# Altium PCB MCISO-P01-V06-NewMicro.PcbDoc (part 2 of 2)
Units mm, origin at the board's own origin, x right, y up, seen from the top; angles counter-clockwise.
Board outline 60 x 112.78 mm, 2 copper layers (Top Layer, Bottom Layer), stack 1.57 mm thick; 124 components, 85 nets, 520 pads, 108 vias.
Unrouted connection lines stored in the file: 6.
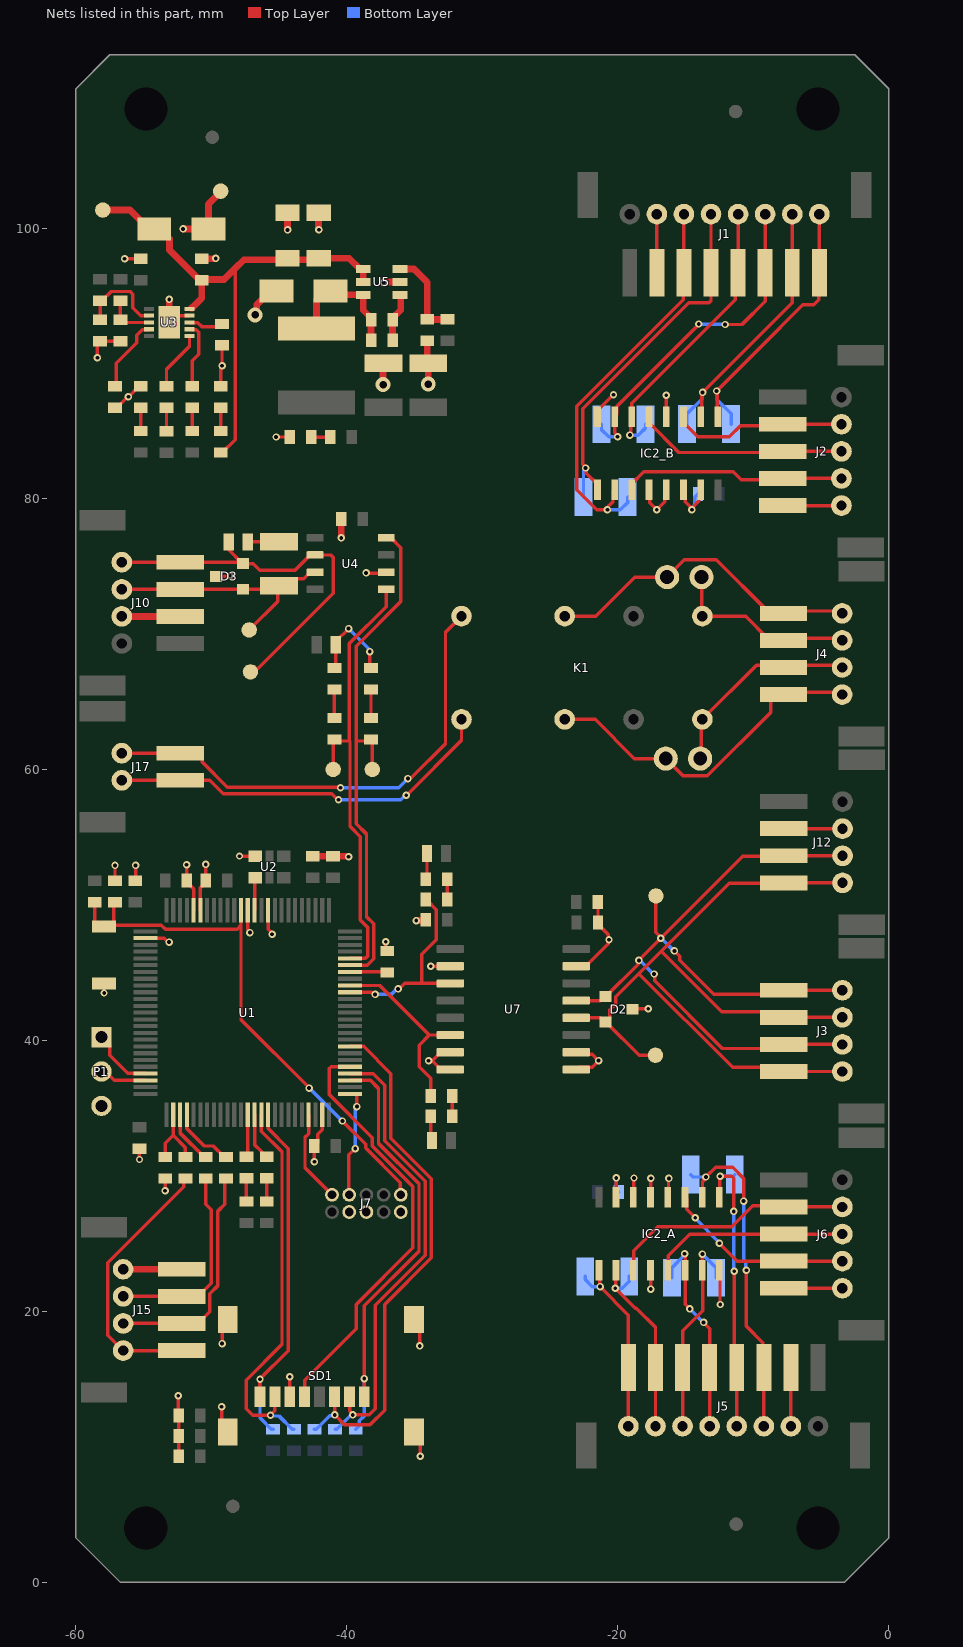
[diagram p2: the nets of this part, all layers, seen from the top]

## Via types
v1: diameter 0.55, hole 0.279, Top Layer to Bottom Layer, 100 vias
v2: diameter 1.1, hole 0.56, Top Layer to Bottom Layer, 3 vias
v3: diameter 0.508, hole 0.279, Top Layer to Bottom Layer, 3 vias
v4: diameter 1.092, hole 0.559, Top Layer to Bottom Layer, 2 vias

## Nets (pads, with @x,y where several pads share a name; then routed paths per layer and width w, separated by ;. In a path a pad name is that pad's centre, name@x,y a point inside that pad or via, vN(x,y) a via of type N, cw(c..) or ccw(c..) an arc to the next point about the centre after c; other vN are vias at no path point) (continued)
12VP: C11.2 C18.1 C21.1 D1.K R14.2 TP2.1 U3.10 U5.4 U5.5 | length 40.3
  Top Layer w0.254: U3.10@-51.611,94.026 U3.10@-51.517,94.026 ; R14.2@-49.311,83.426 -49.184,83.426 -48.239,84.371 -48.239,97.008
  Top Layer w0.5: TP2.1@-58.011,101.326 -56.011,101.326 -54.611,99.926 D1.K@-54.211,99.926 -53.811,99.926 -53.088,99.203 -53.088,98.383 -50.711,96.006 -50.711,94.808 -51.415,94.104 U3.10@-51.486,94.104 ; C11.2@-50.711,96.133 -50.652,96.192 -49.055,96.192 -48.239,97.008 -47.59,97.657 -42.188,97.657 C18.1@-42.079,97.765 -39.834,97.765 -39.035,96.967 U5.4@-38.785,96.967 U5.5@-38.785,96.017
BOOT: R1.1 U1.94 | length 2.8
  Top Layer w0.254: U1.94@-39.761,45.076 -37.054,45.076 R1.1@-37.011,45.033
"CAN GLV RX": R25.1 TP9.1 U1.95 U4.4 | length 39
  Top Layer w0.254: U1.95@-39.761,45.576 -38.48,45.576 -38.014,46.042 -38.014,48.63 -38.544,49.159 -38.544,55.259 -39.311,56.026 -39.311,62.126 ; TP9.1@-38.111,60.026 -38.111,62.133 R25.1@-38.211,62.233 -38.318,62.126 -39.311,62.126 ; U4.4@-37.086,77.131 -36.736,77.131 -36.011,76.406 -36.011,72.426 -39.311,69.126 -39.311,62.926 -39.311,62.126
"CAN GLX TX": R24.1 TP11.1 U1.96 U4.1 | length 33.5
  Top Layer w0.254: TP11.1@-41.011,60.026 -41.011,62.133 R24.1@-40.911,62.233 -40.804,62.126 -39.811,62.126 ; U1.96@-39.761,46.076 -39.738,46.099 -38.617,46.099 -38.468,46.248 -38.468,48.384 -38.998,48.913 -38.998,55.071 -39.765,55.838 -39.765,62.08 -39.811,62.126 ; U4.1@-37.086,73.321 -37.086,72.051 -39.811,69.326 -39.811,62.126
"CAN H": D3.2 J10.4 J14.1 TP8.1 U4.6 | length 29.4
  Top Layer w0.254: J10.4@-56.611,75.326 J10.4@-52.282,75.326 D3.2@-47.811,75.326 ; J14.1@-48.708,76.826 -48.653,76.771 -48.653,76.168 D3.2@-47.811,75.326 ; D3.2@-47.661,75.226 -46.911,75.226 -46.411,74.726 -43.821,74.726 -42.686,75.861 U4.6@-42.336,75.861 -41.195,75.861 -41.011,75.677 -41.011,73.026 -46.541,67.496 -46.601,67.496 -46.87,67.226 TP8.1@-47.111,67.226 ; D3.2@-47.661,75.326 D3.2@-47.811,75.326
"CAN HV RX": R22.1 U1.91 U7.3 | length 14.7
  Top Layer w0.254: U1.91@-39.761,43.576 -38.147,43.576 -37.991,43.42 v1(-37.911,43.42) ; v1(-36.211,43.826) -36.131,43.826 -35.726,44.231 -34.425,44.231 ; R22.1@-34.08,50.371 -33.393,49.684 -33.393,47.44 -34.454,46.379 -34.454,44.261 -34.425,44.231 ; U7.3@-32.361,44.231 -34.425,44.231
  Bottom Layer w0.254: v1(-37.911,43.42) -36.697,43.42 -36.291,43.826 v1(-36.211,43.826)
"CAN HV TX": R21.1 U1.92 U7.6 | length 14.1
  Top Layer w0.254: U1.92@-39.761,44.076 -37.561,44.076 -33.906,40.421 ; R21.1@-33.804,35.926 -33.804,37.221 -34.662,38.079 -34.662,39.665 -33.906,40.421 ; U7.6@-32.361,40.421 -33.906,40.421
"CAN L": D3.1 J10.3 R26.1 TP10.1 U4.7 | length 18.6
  Top Layer w0.254: J10.3@-56.611,73.326 J10.3@-52.282,73.326 -47.911,73.326 D3.1@-47.661,73.326 -45.036,73.326 -45.111,73.252 -45.111,72.426 TP10.1@-47.211,70.326 ; R26.1@-45.011,73.575 -44.488,74.098 -43.179,74.098 -42.686,74.591 U4.7@-42.336,74.591
"CAN MAIN LED": DS9.1 DS10.1 J13.2 | length 7
  Top Layer w0.254: DS9.1@-40.911,67.52 -40.814,67.617 J13.2@-40.814,69.226 -40.814,69.48 v1(-39.868,70.426) v1@-39.811,70.426 ; v1(-38.311,68.726) -38.311,67.62 DS10.1@-38.211,67.52
  Bottom Layer w0.254: v1(-39.868,70.426) -38.311,68.869 v1(-38.311,68.726)
"CAN MAIN RX LED": DS10.2 R25.2 | length 2.1
  Top Layer w0.254: R25.2@-38.211,63.82 DS10.2@-38.211,65.933
"CAN MAIN TX LED": DS9.2 R24.2 | length 2.1
  Top Layer w0.254: R24.2@-40.911,63.82 DS9.2@-40.911,65.933
"CAN RX LED": DS8.2 R22.2 | length 1.4
  Top Layer w0.254: R22.2@-32.586,50.423 -32.586,51.757 DS8.2@-32.518,51.826
"CAN TX LED": DS7.2 R21.2 | length 1.5
  Top Layer w0.254: DS7.2@-32.218,34.426 R21.2@-32.218,35.926
CLMODE: R15.2 U3.4 | length 5.6
  Top Layer w0.254: R15.2@-57.011,88.226 -57.011,90.019 -55.511,91.519 -55.511,92.082 -55.09,92.503 -54.634,92.503 U3.4@-54.611,92.526
"COM A": J4.4 J8.1 K1.13 | length 25.4
  Top Layer w0.254: K1.13@-23.911,63.726 -21.665,63.726 -18.765,60.826 J8.1@-16.451,60.826 -15.181,59.556 -13.385,59.556 -8.711,64.23 -8.711,65.303 -8.288,65.726 -7.74,65.726 J4.4@-3.411,65.726
"COM B": J4.1 J9.2 K1.4 | length 23.8
  Top Layer w0.254: K1.4@-23.911,71.346 -21.605,71.346 -18.725,74.226 J9.2@-16.351,74.226 -15.081,75.496 -12.71,75.496 -8.94,71.726 -7.74,71.726 J4.1@-3.411,71.726
FLAG: DS4.2 U3.6 | length 4.4
  Top Layer w0.254: DS4.2@-53.311,88.313 -53.311,89.559 -51.611,91.259 U3.6@-51.611,92.026
GND: C1.1 C2.1 C3.1 C4.1 C5.1 C6.2 C7.1 C8.1 C9.1 C10.1 C11.1 C12.1 C15.2 C18.2 C19.1 C21.2 C22.1 C23.1 C24.1 D1.A D3.3 D4.A DS5.2 DS6.2 DS11.2 J7.3 J7.5 J7.9 J10.2 J15.4 P1.3 R1.2 R8.1 R15.1 R16.1 R17.1 R18.1 R29.1 SD1.6 SD1.9 SD1.10 SD1.11 SD1.12 SW1.1 TP3.1 U1.10 U1.13 U1.20 U1.21 U1.27 U1.74 U2.3 U3.9 U3.11 U4.2 U5.2 U7.2 U7.7 U7.8 | length 89.3
  Top Layer w0.254: v1(-58.411,90.426) -58.411,91.439 R16.1@-58.211,91.639 R17.1@-56.711,91.639 ; v3(-57.911,43.526) SW1.1@-57.911,44.326 ; R15.1@-57.124,86.72 R15.1@-57.111,86.733 ; C7.1@-57.111,51.82 v1(-57.112,52.944) ; R15.1@-57.011,86.639 -57.011,86.706 -56.177,87.54 -56.111,87.54 -55.338,88.313 DS5.2@-55.211,88.313 ; v1(-56.405,97.737) -55.229,97.737 C12.1@-55.211,97.72 ; C3.1@-55.611,51.82 -55.59,51.84 v1(-55.59,52.942) ; v3(-55.311,31.226) C4.1@-55.311,32.033 ; U1.27@-54.861,47.576 -53.492,47.576 -53.198,47.282 v1(-53.118,47.282) ; v1(-53.411,28.926) R8.1@-53.411,29.826 ; U3.11@-53.111,93.026 -52.611,93.526 U3.9@-51.611,93.526 ; v1(-52.439,13.792) -52.439,12.348 C10.1@-52.417,12.326 C9.1@-52.417,10.826 C8.1@-52.417,9.326 ; v1(-51.824,52.984) -51.824,51.839 C5.1@-51.811,51.826 -51.811,51.699 -51.311,51.199 U1.21@-51.311,49.626 ; U1.20@-50.811,49.626 -50.803,49.634 -50.803,51.301 -50.404,51.699 C24.1@-50.404,51.826 -50.411,51.832 v1(-50.411,53.015) ; D3.3@-49.661,74.276 -48.674,74.276 -48.624,74.326 v1(-48.611,74.326) ; DS6.2@-49.311,88.313 -49.311,89.646 -49.211,89.746 R18.1@-49.211,91.333 ; v1(-49.241,12.984) -49.241,11.576 SD1.9@-48.791,11.126 ; v1(-49.204,17.637) -49.204,19.013 SD1.10@-48.791,19.426 ; v3(-47.911,53.626) U2.3@-46.761,53.626 ; U1.13@-47.311,49.626 -47.311,48.223 -47.155,48.067 v1(-47.155,47.986) ; U1.10@-45.811,49.626 -45.811,48.238 -45.517,47.944 v1(-45.517,47.864) ; v1(-45.22,84.571) -44.221,84.571 DS11.2@-44.212,84.562 ; v1(-44.212,15.192) -44.212,13.727 SD1.6@-44.211,13.726 ; v1(-42.392,31.065) -42.392,32.221 C1.1@-42.398,32.226 -42.144,32.48 -42.144,33.093 -41.82,33.417 -41.82,34.517 U1.74@-41.811,34.526 ; v1@-38.558,74.499 -37.178,74.499 U4.2@-37.086,74.591 ; v1(-37.128,47.309) -37.128,46.737 R1.2@-37.011,46.62 ; SD1.12@-35.041,11.126 -34.583,10.668 v1(-34.583,9.321) ; SD1.11@-35.041,19.426 -34.618,19.003 v1(-34.618,17.468) ; v1(-33.963,38.515) v1@-33.697,38.515 ; v1(-33.798,45.503) v1(-33.798,45.503) -32.362,45.502 U7.2@-32.361,45.501 ; U7.8@-32.361,37.881 -33.061,37.881 -33.695,38.515 v1@-33.697,38.515 ; U7.7@-32.361,39.151 -33.061,39.151 v1@-33.697,38.515
  Top Layer w0.5: J10.2@-56.611,71.326 J10.2@-52.282,71.326 ; J15.4@-56.511,23.126 J15.4@-52.182,23.126 ; U3.11@-53.111,93.026 v1(-53.111,94.726) ; v1(-52.088,99.929) -50.214,99.929 D1.A@-50.211,99.926 -50.211,101.757 -49.311,102.657 TP3.1@-49.311,102.726 ; C11.1@-50.711,97.72 -50.708,97.723 -49.724,97.723 -49.693,97.754 v1(-49.679,97.754) ; v2(-46.765,93.584) -46.651,93.699 -46.651,94.307 -45.599,95.358 D4.A@-45.199,95.358 ; C21.2@-44.379,101.122 -44.374,101.117 v1(-44.374,99.855) ; C6.2@-42.511,53.62 -39.924,53.62 -39.885,53.58 v1(-39.871,53.58) ; C18.2@-42.079,101.122 -42.079,99.9 -42.058,99.879 v1(-42.058,99.865) ; v1(-40.404,77.124) C15.2@-40.404,78.526 ; v2(-37.318,88.442) -37.318,89.994 C22.1@-37.303,90.009 ; v1(-37.284,95.968) -37.27,95.968 -37.222,96.017 U5.2@-36.085,96.017 ; v1(-34.871,48.865) -34.862,48.875 -34.222,48.875 C23.1@-34.173,48.923 ; R29.1@-34.066,91.669 -34.066,90.103 C19.1@-33.988,90.024 -33.984,90.02 v2(-33.984,88.47)
  other v1: -38.576,74.532 -56.125,87.54 -49.211,89.826
"GND INV A": C20_B.1 IC2_B.4 IC2_B.8 IC2_B.12 IC2_B.13 IC2_B.14 IC2_B.15 J1.2 J2.5 | length 20
  Top Layer w0.254: IC2_B.8@-21.52,86.498 -20.324,87.694 v1(-20.311,87.694) ; IC2_B.12@-17.71,80.673 -17.634,80.598 -17.634,79.724 v1(-17.109,79.198) -16.525,79.782 -16.525,80.588 IC2_B.13@-16.44,80.673 ; J1.2@-17.111,96.686 J1.2@-17.111,101.026 ; IC2_B.4@-16.44,86.073 -16.425,86.088 -16.425,87.632 v1(-16.41,87.647) ; IC2_B.14@-15.17,80.673 -15.022,80.525 -15.022,79.794 -14.58,79.353 -14.58,79.335 -14.542,79.296 -14.506,79.296 -14.467,79.335 -14.467,79.397 -13.998,79.866 -13.998,80.575 IC2_B.15@-13.9,80.673 ; J2.5@-7.828,79.511 J2.5@-3.499,79.511
  Bottom Layer w0.254: v1@-14.524,79.264 -14.524,79.344 -14.319,79.549 -14.319,80.114 C20_B.1@-14.065,80.368
  other v1: -14.524,79.198
"GND INV B": C13.1 C14.1 C20_A.1 D2.3 IC2_A.4 IC2_A.8 IC2_A.12 IC2_A.13 IC2_A.14 IC2_A.15 J5.2 J6.5 J12.2 U7.9 U7.10 U7.15 | length 35.2
  Top Layer w0.254: U7.9@-23.061,37.881 -22.888,38.054 -21.889,38.054 v1(-21.407,38.536) -21.436,38.536 -21.886,38.985 -22.895,38.985 U7.10@-23.061,39.151 ; U7.15@-23.061,45.501 -22.361,45.501 -20.697,47.165 -20.697,47.4 v1(-20.641,47.457) -20.697,47.513 -20.697,47.843 -21.452,48.598 -21.452,50.226 C14.1@-21.468,50.242 ; v1(-20.102,29.872) -20.096,29.867 -20.096,28.455 IC2_A.15@-20.09,28.449 ; D2.3@-18.911,42.326 -18.87,42.367 v1(-17.739,42.367) ; IC2_A.14@-18.82,28.449 -18.809,28.461 -18.809,29.851 v1(-18.797,29.863) ; v1(-17.556,21.661) -17.55,21.667 IC2_A.4@-17.55,23.049 ; IC2_A.13@-17.55,28.45 v1(-17.549,29.842) ; IC2_A.12@-16.28,28.449 -16.249,28.48 -16.249,29.801 v1(-16.218,29.832) ; IC2_A.8@-12.47,23.049 -12.448,23.026 -12.448,20.55 v1(-12.425,20.527) ; J6.5@-7.74,21.726 J6.5@-3.411,21.726 ; J12.2@-7.73,55.653 J12.2@-3.401,55.653 ; J5.2@-7.211,11.536 J5.2@-7.211,15.876
  Bottom Layer w0.254: v1(-20.102,29.872) -20.102,28.996 C20_A.1@-19.932,28.826
H1_A: IC2_A.3 J6.2 | length 18.3
  Top Layer w0.254: IC2_A.3@-18.82,23.049 -18.82,24.493 -17.043,26.271 -11.576,26.271 -10.023,27.823 -7.837,27.823 J6.2@-7.74,27.726 J6.2@-3.411,27.726
H1_B: IC2_B.3 J2.2 | length 13
  Top Layer w0.254: IC2_B.3@-15.17,86.073 -15.17,85.648 -14.1,84.578 -11.764,84.578 -10.936,85.406 -7.781,85.406 J2.2@-7.761,85.426 ; J2.2@-7.828,85.511 J2.2@-3.499,85.511
H2_A: IC2_A.5 J6.3 | length 14.6
  Top Layer w0.254: IC2_A.5@-16.28,23.049 -16.28,24.135 -14.689,25.726 J6.3@-7.74,25.726 J6.3@-3.411,25.726
H2_B: IC2_B.5 J2.3 | length 15.6
  Top Layer w0.254: IC2_B.5@-17.71,86.073 -17.71,85.648 -15.487,83.426 J2.3@-7.761,83.426 ; J2.3@-7.828,83.511 J2.3@-3.499,83.511
H3_A: IC2_A.11 J6.4 | length 14.1
  Top Layer w0.254: IC2_A.11@-15.01,28.449 -14.912,28.351 -14.912,27.56 -14.279,26.927 v1(-14.275,26.927) ; v1(-12.491,25.053) -11.164,23.726 J6.4@-3.411,23.726
  Bottom Layer w0.254: v1(-14.275,26.927) -14.275,26.882 -12.491,25.097 v1(-12.491,25.053)
H3_B: IC2_B.11 J2.4 | length 16.6
  Top Layer w0.254: IC2_B.11@-18.98,80.673 -18.98,81.098 -18.064,82.014 -11.468,82.014 -10.88,81.426 J2.4@-7.761,81.426 ; J2.4@-7.828,81.511 J2.4@-3.499,81.511
"HALL 1A_A": IC2_A.2 J5.7 R19_A.1 | length 14.4
  Top Layer w0.254: IC2_A.2@-20.133,23.007 -20.145,22.995 -20.145,21.754 v1(-20.174,21.725) -18.707,20.258 -18.621,20.258 -17.211,18.848 J5.7@-17.211,15.876 J5.7@-17.211,11.536
  Bottom Layer w0.254: v1(-20.174,21.725) -19.674,21.725 -19.151,22.248 R19_A.1@-19.151,22.599
"HALL 1A_B": IC2_B.2 J1.7 R19_B.1 | length 20.6
  Top Layer w0.254: IC2_B.2@-13.9,86.073 -13.79,86.182 -13.79,87.805 -7.111,94.485 J1.7@-7.111,96.686 J1.7@-7.111,101.026
  Bottom Layer w0.254: R19_B.1@-14.882,85.522 -14.882,86.272 -13.79,87.364 -13.79,87.805 v1(-13.734,87.862)
"HALL 1B_A": IC2_A.1 J5.8 R19_A.2 | length 13.9
  Top Layer w0.254: IC2_A.1@-21.36,23.049 -21.33,23.019 -21.33,21.881 v1(-21.3,21.851) -21.3,21.824 -19.211,19.735 J5.8@-19.211,15.876 J5.8@-19.211,11.536
  Bottom Layer w0.254: R19_A.2@-22.402,22.599 -22.402,22.374 -21.879,21.851 v1(-21.3,21.851)
"HALL 1B_B": IC2_B.1 J1.8 R19_B.2 | length 21.5
  Top Layer w0.254: IC2_B.1@-12.63,86.073 -12.653,86.096 -12.653,87.919 -12.701,87.968 v1(-12.701,87.967) -9.564,91.104 -6.338,94.33 -5.532,94.33 -5.158,94.704 -5.158,96.64 J1.8@-5.111,96.686 J1.8@-5.111,101.026
  Bottom Layer w0.254: v1(-12.701,87.967) -12.67,87.936 -12.67,87.311 -11.631,86.272 R19_B.2@-11.631,85.522
"HALL 2A_A": IC2_A.6 J5.5 R20_A.1 | length 15.6
  Top Layer w0.254: v1@-15.021,24.249 -15.01,24.238 -15.01,23.049 -15.01,20.538 -14.684,20.212 v1(-14.684,20.2) ; v1(-13.657,19.199) -13.657,19.193 -13.196,18.732 -13.196,15.891 J5.5@-13.211,15.876 J5.5@-13.211,11.536
  Bottom Layer w0.254: R20_A.1@-15.992,22.499 -15.992,23.249 -15.118,24.123 -15.118,24.216 v1(-15.061,24.273) ; v1(-14.684,20.2) -14.671,20.2 -13.67,19.199 v1(-13.657,19.199)
"HALL 2A_B": IC2_B.6 J1.5 R20_B.1 | length 21.3
  Top Layer w0.254: v1(-19.095,84.713) -19.038,84.769 -19.038,86.015 -18.954,86.099 -18.954,87.056 -11.306,94.704 -11.306,96.491 J1.5@-11.111,96.686 J1.5@-11.111,101.026
  Bottom Layer w0.254: v1(-19.095,84.713) -18.468,84.713 -17.945,85.236 R20_B.1@-17.945,85.513
"HALL 2B_A": IC2_A.7 J5.6 R20_A.2 | length 15.5
  Top Layer w0.254: J5.6@-15.211,11.536 J5.6@-15.211,15.876 -15.211,18.573 -13.707,20.077 -13.707,23.016 -13.74,23.049 -13.755,23.064 v1@-13.755,24.233
  Bottom Layer w0.254: v1(-13.747,24.249) -13.741,24.249 -12.741,23.249 R20_A.2@-12.741,22.499
"HALL 2B_B": IC2_B.7 J1.6 R20_B.2 | length 24.9
  Top Layer w0.254: v1(-20.006,84.585) -20.006,84.665 -20.225,84.884 -20.225,86.048 -20.25,86.073 -20.052,86.271 -20.052,86.847 -14.023,92.875 v1(-14.023,92.914) ; v1(-12.075,92.877) -10.824,92.877 -9.111,94.59 J1.6@-9.111,96.686 J1.6@-9.111,101.026
  Bottom Layer w0.254: R20_B.2@-21.196,85.513 -21.196,85.108 -20.673,84.585 v1(-20.006,84.585) ; v1(-14.023,92.914) -14.004,92.896 -12.094,92.896 v1(-12.075,92.877)
"HALL 3A_A": IC2_A.10 J5.3 R23_A.1 | length 25.2
  Top Layer w0.254: IC2_A.10@-13.74,28.449 -13.74,29.606 -13.496,29.851 v1@-13.496,29.939 ; v1(-13.487,29.939) -12.774,30.652 -11.521,30.652 -10.697,29.828 v1@-10.697,28.136 ; v1(-10.493,23.047) -10.493,18.925 -9.284,17.716 -9.284,15.949 J5.3@-9.211,15.876 J5.3@-9.211,11.536
  Bottom Layer w0.254: R23_A.1@-14.616,30.119 -14.437,29.939 v1(-13.487,29.939) ; v1(-10.708,28.159) -10.708,23.83 -10.55,23.672 -10.55,23.104 v1(-10.493,23.047)
"HALL 3A_B": IC2_B.10 J1.3 R23_B.1 | length 30.2
  Top Layer w0.254: v1(-20.762,79.198) -20.771,79.19 -21.542,79.19 -23.023,80.671 -23.023,86.848 -15.167,94.704 -15.167,96.63 J1.3@-15.111,96.686 J1.3@-15.111,101.026 ; v1@-20.762,79.369 -20.348,79.784 -20.348,80.575 IC2_B.10@-20.25,80.673
  Bottom Layer w0.254: v1(-20.762,79.198) -20.75,79.186 -19.796,79.186 -19.273,79.709 R23_B.1@-19.273,80.136
"HALL 3B_A": IC2_A.9 J5.4 R23_A.2 | length 22.1
  Top Layer w0.254: IC2_A.9@-12.47,28.449 -12.467,28.453 v1@-12.467,29.796 ; v1@-12.442,29.796 v1(-12.442,29.996) -11.587,29.996 -11.438,29.847 v1(-11.438,27.395) ; v1(-11.393,22.978) -11.393,16.058 J5.4@-11.211,15.876 J5.4@-11.211,11.536
  Bottom Layer w0.254: v1(-12.442,29.996) -11.489,29.996 R23_A.2@-11.366,30.119 ; v1(-11.438,27.395) -11.416,27.372 -11.416,23.001 v1(-11.393,22.978)
"HALL 3B_B": IC2_B.9 J1.4 R23_B.2 | length 27.8
  Top Layer w0.254: v1@-22.369,82.284 -22.312,82.227 -22.312,81.891 -21.52,81.098 IC2_B.9@-21.52,80.673 ; v1(-22.367,82.284) -22.367,82.364 -22.569,82.566 -22.569,86.66 -14.75,94.478 -13.26,94.478 -13.111,94.627 J1.4@-13.111,101.026
  Bottom Layer w0.254: R23_B.2@-22.524,80.136 -22.524,82.049 -22.367,82.206 v1(-22.367,82.284)
"ISO CAN H": D2.1 J3.1 J3.3 J12.3 TP6.1 U7.13 | length 61.7
  Top Layer w0.254: U7.13@-23.061,42.961 -21.276,42.961 -20.961,43.276 -20.861,43.276 -18.49,45.647 -18.49,45.869 v1(-18.433,45.925) -18.433,45.942 -16.822,47.553 v1(-16.822,47.57) ; v1(-17.311,44.926) -17.254,44.869 -17.254,44.412 -12.269,39.426 -8.061,39.426 -7.761,39.726 J3.3@-3.432,39.726 ; TP6.1@-17.175,50.686 -17.175,48.003 -16.822,47.65 v1(-16.822,47.57) ; v1(-15.811,46.626) -15.411,46.226 -15.411,45.926 -12.911,43.426 -8.061,43.426 -7.761,43.726 J3.1@-3.432,43.726 ; J12.3@-7.73,53.653 -7.048,53.653 J12.3@-3.401,53.653 ; J12.3@-7.048,53.61 -10.781,53.61 v1(-16.822,47.57)
  Bottom Layer w0.254: v1(-18.433,45.925) -18.371,45.925 -17.372,44.926 v1(-17.311,44.926) ; v1(-16.822,47.57) -16.788,47.57 -15.845,46.626 v1(-15.811,46.626)
"ISO CAN L": D2.2 J3.2 J3.4 J12.4 TP4.1 U7.12 | length 62.8
  Top Layer w0.254: U7.12@-23.061,41.691 -21.276,41.691 -20.961,41.376 D2.2@-20.911,41.376 D2.2@-20.861,41.376 ; TP4.1@-17.211,38.926 -18.411,38.926 D2.2@-20.861,41.376 ; J3.4@-3.432,37.726 -7.761,37.726 -8.061,38.026 -11.511,38.026 -18.44,44.955 ; J3.2@-3.432,41.726 -7.761,41.726 -8.161,42.126 -12.311,42.126 -16.79,46.605 ; J12.4@-3.401,51.653 J12.4@-7.73,51.653 -7.751,51.632 -11.763,51.632 -16.79,46.605 ; D2.2@-20.861,41.376 -20.588,41.649 -20.588,42.272 -20.156,42.704 -20.156,43.239 -18.44,44.955 ; -18.44,44.955 -16.79,46.605
NetDS1_1: DS1.1 R3.1 | length 1.7
  Top Layer w0.254: R3.1@-45.911,28.131 DS1.1@-45.911,29.839
NetDS2_1: DS2.1 R4.1 | length 1.7
  Top Layer w0.254: R4.1@-47.411,28.131 DS2.1@-47.411,29.839
NetDS3_1: DS3.1 R9.1 | length 1.7
  Top Layer w0.254: R9.1@-51.411,85.013 DS3.1@-51.411,86.72
NetDS4_1: DS4.1 R10.1 | length 1.7
  Top Layer w0.254: R10.1@-53.311,85.006 DS4.1@-53.311,86.726
NetDS5_1: DS5.1 R11.1 | length 1.7
  Top Layer w0.254: R11.1@-55.211,85.013 DS5.1@-55.211,86.726
NetDS6_1: DS6.1 R14.1 | length 1.7
  Top Layer w0.254: R14.1@-49.311,85.013 DS6.1@-49.311,86.726
NetDS7_1: DS7.1 J11.2 | length 1.8
  Top Layer w0.254: DS7.1@-33.804,34.426 -33.804,32.723 J11.2@-33.708,32.626
NetDS8_1: DS8.1 J16.1 | length 1.9
  Top Layer w0.254: DS8.1@-34.173,51.923 -34.077,52.02 J16.1@-34.077,53.823
NetDS11_1: DS11.1 R28.1 | length 1.4
  Top Layer w0.254: DS11.1@-42.625,84.562 R28.1@-41.212,84.562
NetJ14_2: J14.2 R26.2 | length 2.3
  Top Layer w0.254: J14.2@-47.311,76.826 R26.2@-45.011,76.826
"NO COM A": J4.3 J8.2 K1.9 | length 15
  Top Layer w0.254: J8.2@-13.911,60.826 -13.831,60.906 -13.831,63.646 K1.9@-13.751,63.726 -9.751,67.726 J4.3@-3.411,67.726
"NO COM B": J4.2 J9.1 K1.8 | length 13.9
  Top Layer w0.254: J9.1@-13.811,74.226 -13.781,74.196 -13.781,71.376 K1.8@-13.751,71.346 -10.56,71.346 -8.94,69.726 -7.74,69.726 J4.2@-3.411,69.726
NRST: C7.2 J7.10 R2.1 SW1.2 U1.14 | length 40.1
  Top Layer w0.254: R2.1@-58.484,50.233 R2.1@-58.611,50.233 -58.611,48.744 -58.293,48.426 SW1.2@-57.911,48.426 ; SW1.2@-57.911,48.326 -57.811,48.426 -57.466,48.426 SW1.2@-57.362,48.531 ; C7.2@-57.111,50.233 -57.211,50.133 -57.211,48.682 SW1.2@-57.362,48.531 ; -47.811,48.503 -48.097,48.217 -53.383,48.217 -53.697,48.531 SW1.2@-57.362,48.531 ; U1.14@-47.811,49.162 -47.811,48.421 -47.811,41.545 -42.781,36.515 v1(-42.781,36.507) ; v1(-40.324,34.073) -38.611,32.359 -38.611,32.079 -36.047,29.515 -36.047,28.662 J7.10@-36.011,28.626
  Bottom Layer w0.254: v1(-42.781,36.507) -42.758,36.507 v1(-40.324,34.073)
"ORANGE LED 1": DS1.2 U1.64 | length 3.5
  Top Layer w0.254: U1.64@-46.811,34.526 -46.811,32.326 -46.292,31.807 -46.292,31.68 -46.038,31.426 DS1.2@-45.911,31.426
"ORANGE LED 2": DS2.2 U1.63 | length 3.1
  Top Layer w0.254: DS2.2@-47.411,31.426 -47.311,31.526 U1.63@-47.311,34.526
"OSC IN": U1.12 U2.4 | length 2.4
  Top Layer w0.254: U1.12@-46.811,49.626 -46.811,51.976 U2.4@-46.761,52.026
OVLO: R13.1 R17.2 U3.3 | length 3.6
  Top Layer w0.254: R13.1@-56.711,94.626 R17.2@-56.711,93.226 -56.511,93.026 U3.3@-54.611,93.026
"PWR CB 3V3": C16.1 C17.1 U5.1 | length 3.6
  Top Layer w0.5: C17.1@-36.618,91.711 C16.1@-36.618,93.222 -36.618,93.349 -36.015,93.952 -36.015,95.017 -36.065,95.067 U5.1@-36.085,95.067
"PWR FB 3V3": R27.1 R29.2 U5.3 | length 6.7
  Top Layer w0.5: U5.3@-36.085,96.967 -35.03,96.967 -34.066,96.003 R29.2@-34.066,93.255 R27.1@-32.566,93.255
"PWR SW 3V3": C16.2 C17.2 D4.K L1.1 U5.6 | length 9.6
  Top Layer w0.5: L1.1@-42.244,92.577 -42.244,94.713 -41.599,95.358 D4.K@-41.199,95.358 -40.908,95.067 U5.6@-38.785,95.067 -38.785,93.928 -38.205,93.349 C16.2@-38.205,93.222 C17.2@-38.205,91.711
SD_CMD: R32.1 SD1.3 U1.83 | length 39.1
  Top Layer w0.254: SD1.3@-40.911,13.726 -40.891,13.706 v1(-40.891,12.373) -40.171,11.653 -38.285,11.653 -37.211,12.726 -37.211,20.526 -33.76,23.977 -33.76,29.801 -36.749,32.79 -36.749,37.564 -38.761,39.576 U1.83@-39.761,39.576
  Bottom Layer w0.254: R32.1@-42.388,11.317 -42.261,11.317 -41.263,12.316 -40.948,12.316 v1(-40.891,12.373)
SD_D0: R31.1 SD1.7 U1.65 | length 29.1
  Top Layer w0.254: U1.65@-46.311,34.526 -46.311,33.321 -44.782,31.792 -44.782,17.575 -47.411,14.946 -47.411,12.826 -46.933,12.349 v1(-45.632,12.349) -45.311,12.67 SD1.7@-45.311,13.726
  Bottom Layer w0.254: v1(-45.632,12.349) -45.575,12.292 -45.008,12.292 -44.033,11.317 R31.1@-43.906,11.317
SD_D1: R30.1 SD1.8 U1.66 | length 26.5
  Top Layer w0.254: SD1.8@-46.411,13.726 -46.411,15.026 -44.311,17.126 -44.311,32.026 -45.802,33.517 -45.802,34.517 U1.66@-45.811,34.526
  Bottom Layer w0.254: v1(-46.406,15.009) -46.406,12.156 -45.568,11.317 R30.1@-45.441,11.317
SD_D2: R34.1 SD1.1 U1.78 | length 32
  Top Layer w0.254: U1.78@-39.761,37.076 -39.752,37.067 -38.252,37.067 -37.657,36.472 -37.657,32.414 -34.668,29.425 -34.668,24.469 -38.711,20.426 SD1.1@-38.711,13.726
  Bottom Layer w0.254: R34.1@-39.337,11.317 -39.333,11.317 -39.079,11.571 -39.079,11.931 -38.715,12.294 v1(-38.715,15.055)
SD_D3: R33.1 SD1.2 U1.79 | length 34.6
  Top Layer w0.254: SD1.2@-39.811,13.726 -39.785,13.7 -39.785,12.662 -39.561,12.438 v1(-39.561,12.376) -38.355,12.376 -37.911,12.82 -37.911,20.468 -34.214,24.165 -34.214,29.613 -37.203,32.602 -37.203,36.718 -38.052,37.567 -39.752,37.567 U1.79@-39.761,37.576
  Bottom Layer w0.254: R33.1@-40.862,11.317 -40.735,11.317 -39.733,12.319 -39.618,12.319 v1(-39.561,12.376)
SDIO_CK: SD1.5 U1.80 | length 31.7
  Top Layer w0.254: SD1.5@-43.111,13.726 -43.111,14.926 -39.311,18.726 -39.311,20.526 -35.122,24.715 -35.122,29.237 -38.111,32.226 -38.111,32.849 -41.311,36.049 -41.311,37.926 -41.161,38.076 U1.80@-39.761,38.076
SETI: R18.2 U3.8 | length 2.6
  Top Layer w0.254: U3.8@-51.611,93.026 -51.588,93.003 -50.988,93.003 -50.711,92.726 -49.404,92.726 R18.2@-49.211,92.92
SHDN_CHAIN_IN: J17.2 K1.1 | length 36.3
  Top Layer w0.254: J17.2@-56.611,61.226 -51.082,61.226 -50.659,60.803 -50.659,60.574 -48.811,58.726 -40.518,58.726 v1(-40.465,58.673) ; v1(-35.489,59.352) -35.432,59.409 -35.228,59.409 -32.711,61.926 -32.711,70.166 K1.1@-31.531,71.346
  Bottom Layer w0.254: v1(-40.465,58.673) -36.169,58.673 v1(-35.489,59.352)
SHDN_CHAIN_OUT: J17.1 K1.16 | length 29
  Top Layer w0.254: J17.1@-56.611,59.226 J17.1@-52.282,59.226 -50.111,59.226 -49.111,58.226 -41.102,58.226 -40.664,57.788 v1(-40.613,57.788) ; v1(-35.611,58.126) -35.583,58.126 -31.531,62.178 K1.16@-31.531,63.726
  Bottom Layer w0.254: v1(-40.613,57.788) -36.029,57.788 -35.691,58.126 v1(-35.611,58.126)
SWCLK: J7.4 U1.76 | length 8.2
  Top Layer w0.254: J7.4@-39.821,28.626 -39.848,28.653 -39.848,31.567 v1(-39.377,32.038) ; U1.76@-39.761,36.076 -39.273,36.076 -39.251,36.055 v1(-39.251,35.141)
  Bottom Layer w0.254: v1(-39.377,32.038) -39.377,34.935 -39.251,35.061 v1(-39.251,35.141)
SWDIO: J7.2 U1.72 | length 6.8
  Top Layer w0.254: U1.72@-42.811,34.526 -42.811,33.133 -43.084,32.86 -43.084,30.619 J7.2@-41.091,28.626
USART3_RX: P1.2 U1.48 | length 3.5
  Top Layer w0.254: P1.2@-58.111,37.726 -57.811,37.726 -57.161,37.076 U1.48@-54.861,37.076
USART3_TX: P1.1 U1.47 | length 4.8
  Top Layer w0.254: P1.1@-58.111,40.266 -57.512,39.667 -57.512,38.927 -56.17,37.585 -54.87,37.585 U1.47@-54.861,37.576
"USB DM": R6.2 U1.53 | length 4
  Top Layer w0.254: U1.53@-52.311,34.526 -52.311,33.186 -50.538,31.413 R6.2@-50.411,31.413
"USB DP": R5.2 U1.54 | length 4.8
  Top Layer w0.254: U1.54@-51.811,34.526 -51.802,34.517 -51.802,33.517 -50.511,32.226 -49.845,32.226 -49.038,31.42 R5.2@-48.911,31.42
"USB M": J15.3 R6.1 | length 14.8
  Top Layer w0.254: J15.3@-56.511,21.126 J15.3@-52.182,21.126 -50.982,21.126 -50.011,22.097 -50.011,27.526 -50.411,27.926 R6.1@-50.411,29.826
"USB P": J15.2 R5.1 | length 17.1
  Top Layer w0.254: J15.2@-56.511,19.126 J15.2@-52.182,19.126 -50.982,19.126 -50.111,19.997 -50.111,21.326 -49.511,21.926 -49.511,27.426 -49.011,27.926 -49.011,29.733 R5.1@-48.911,29.833
USB_D6: R7.1 R8.2 U1.52 | length 5.3
  Top Layer w0.254: R8.2@-53.411,31.413 -53.411,32.415 -52.811,33.015 ; U1.52@-52.811,34.526 -52.811,33.015 ; R7.1@-51.911,31.42 -51.911,32.115 -52.811,33.015
UVLO: R12.1 R16.2 U3.2 | length 6.6
  Top Layer w0.254: R16.2@-58.211,93.226 R12.1@-58.211,94.626 -58.084,94.626 -57.398,95.312 -55.997,95.312 -55.788,95.103 -55.788,94.103 -55.211,93.526 U3.2@-54.611,93.526
UVOV: DS3.2 U3.7 | length 5
  Top Layer w0.254: U3.7@-51.611,92.526 -51.386,92.526 -51.341,92.481 -51.11,92.481 -50.931,92.302 -50.931,90.671 -51.411,90.191 DS3.2@-51.411,88.306
VUSB: J15.1 R7.2 | length 19.9
  Top Layer w0.254: J15.1@-52.182,17.126 J15.1@-56.511,17.126 -57.654,18.269 -57.654,23.6 -52.034,29.22 -52.034,29.71 R7.2@-51.911,29.833
pads on no net: FID1.1 FID2.1 FID3.1 FID4.1 J1.M J2.M J3.M J4.M J5.M J6.M J7.6 J7.7 J7.8 J10.M J12.M J15.M J17.M K1.6 K1.11 M1.1 M2.1 M3.1 M4.1 U1.1 U1.2 U1.3 U1.4 U1.5 U1.7 U1.8 U1.9 U1.15 U1.16 U1.17 U1.18 U1.23 U1.24 U1.25 U1.26 U1.29 U1.30 U1.31 U1.32 U1.33 U1.34 U1.35 U1.36 U1.37 U1.38 U1.39 U1.40 U1.41 U1.42 U1.43 U1.44 U1.45 U1.46 U1.49 U1.51 U1.55 U1.56 U1.57 U1.58 U1.59 U1.60 U1.61 U1.62 U1.67 U1.68 U1.69 U1.70 U1.71 U1.73 U1.77 U1.81 U1.82 U1.84 U1.85 U1.86 U1.87 U1.88 U1.89 U1.90 U1.93 U1.97 U1.98 U1.99 U2.2 U2.5 U3.5 U4.5 U4.8 U7.4 U7.5 U7.11 U7.14
copper on no net: | length 14
  Bottom Layer w0.254: -6.827,0 2.795,0 ; 0,-0.849 0,3.533

## Polygon pours and split planes (outlines as drawn)
no net on Bottom Overlay (solid): -36.29,23.642 -42.64,23.642 -42.64,56.662 -36.29,56.662
no net on Bottom Overlay (solid): -43.715,23.642 -50.065,23.642 -50.065,56.662 -43.715,56.662
"GND INV B" on Bottom Layer "GND_INV_B_L02_P060" (solid, pour order 60): -0.002,59.375 -0.14,59.237 -24.119,59.237 -24.119,8.065 -24.188,7.996 -0.036,7.996
"GND INV A" on Bottom Layer "GND_INV_A_L02_P061" (solid, pour order 61): -24.124,105.055 -24.092,105.022 0.011,105.022 0.011,75.595 -0.054,75.53 -0.087,75.563 -24.124,75.563
GND on Bottom Layer "GNDP" (solid, pour order 58): -59.812,110.287 -31.404,110.287 -31.404,7.882 -59.782,7.882

## Silkscreen, mask and mechanical layers (free items; w line width, h text height)
Top Overlay:
  lines w0.254: -47.911,79.426 -59.811,79.426 -59.811,104.126 -47.911,104.126 ; -47.911,79.426 -47.911,104.126 ; -47.911,79.426 -30.841,79.426 -30.841,104.126 -47.911,104.126 ; -47.911,79.426 -47.911,104.126 ; -50.511,57.15 -30.633,57.15 -30.633,79.426 -50.511,79.426 -50.511,57.15 ; -38.084,31.41 -30.829,31.41 -30.829,57.155 -38.084,57.155 -38.084,31.41
  lines w0.635: -24.341,68.726 -0.311,68.726
  lines w0.889: -30.911,0.074 -30.911,112.848 ; -24.613,0.036 -24.509,112.848
  text "GND" at -53.224,103.039 h1.54
  text "3V3" at -47.671,103.035 h1.54
  text "12VP" at -59.109,103.026 h1.54
  text "HV" at -25.265,96.38 h1.52 r90
  text "GLV" at -28.465,95.98 h1.52 r90
  text "Hall Pairs" at -15.411,93.441 h1.5
  text "Halls" at -10.896,85.326 h1.5 r270
  text "ISO 6.4mm" at -27.043,79.651 h1.52 r90
  text "SW / OVERRIDE" at -24.896,73.087 h1.3
  text "CAN_L" at -45.574,71.845 h1.54 r270
  text "INV   SWITCH" at -10.794,71.526 h1.5 r270
  text "CAN_H" at -45.574,67.245 h1.54 r270
  text "CAN ETHERNET  / BRIDGE" at -12.511,62.125 h1.5 r270
  text "TX" at -43.511,59.826 h1.54 r45
  text "SW / OVERRIDE" at -24.967,59.792 h1.3
  text "RX" at -36.211,59.626 h1.54 r45
  text "CAN H" at -18.895,53.484 h0.8
  text "CAN RX" at -34.165,43.48 h0.8 r90
  text "CAN" at -11.194,42.026 h1.5 r270
  text "CAN TX" at -34.365,37.18 h0.8 r90
  text "CAN L" at -18.557,36.58 h0.8
  text "HALLS" at -10.894,27.326 h1.5 r270
  text "HALL PAIRS" at -16.545,17.806 h1.5
  text "ISO 6.4mm" at -26.965,15.08 h1.52 r90
Bottom Overlay:
  text "Designed By: / John Hatfield / Bishwam Pattnaik" at -50.315,64.804 h3 r270
  text "MCISO V00" at -34.569,32.526 h3.81 r270
  text "Var." at -48.121,15.146 h5.08 r270
  text "S/N" at -40.614,15.142 h5.08 r270
Mechanical 1:
  the board outline again, w0.013

## Dimensions
-54.834,4.027 to -59.465,0.032 on Top Layer
-57.493,112.787 to -1.661,1.715 on Top Layer
-54.834,1.233 to -59.993,3.287 on Top Layer
-5.216,108.791 to -57.493,112.787 on Top Layer
-5.216,108.791 to -57.493,112.787 on Top Layer

## Text inside footprints (layer, text, board x,y; h text height)
J1: Top Overlay "PH x8 SMD" at -6.784,103.711 h1.02 r180; Top Overlay "8" at -4.459,99.838 h1.02; Top Overlay "1" at -20.459,100.063 h1.02
J2: Top Overlay "1" at -4.748,89.083 h1.02 r270; Top Overlay "5" at -4.805,78.534 h1.02 r270; Top Overlay "PH x5 COMB" at -0.985,79.002 h1.02 r90; Top Overlay "1" at -10.034,89.347 h1.02 r270; Top Overlay "5" at -10.03,77.334 h1.02 r270
J3: Top Overlay "1" at -4.681,45.298 h1.02 r270; Top Overlay "4" at -4.808,36.789 h1.02 r270; Top Overlay "PH x4 COMB" at -0.896,37.102 h0.75 r90; Top Overlay "1" at -9.967,45.562 h1.02 r270; Top Overlay "4" at -9.977,36.618 h1.02 r270
J4: Top Overlay "4" at -9.995,64.445 h1.02 r270; Top Overlay "1" at -9.985,73.39 h1.02 r270; Top Overlay "PH x4 COMB" at -0.915,64.93 h0.75 r90; Top Overlay "4" at -4.826,64.617 h1.02 r270; Top Overlay "1" at -4.699,73.126 h1.02 r270
J5: Top Overlay "PH x8 SMD" at -17.538,8.851 h1.02; Top Overlay "8" at -19.863,12.724 h1.02 r180; Top Overlay "1" at -3.863,12.499 h1.02 r180
J6: Top Overlay "1" at -4.681,31.298 h1.02 r270; Top Overlay "5" at -4.738,20.749 h1.02 r270; Top Overlay "PH x5 COMB" at -0.917,21.217 h1.02 r90; Top Overlay "1" at -9.967,31.562 h1.02 r270; Top Overlay "5" at -9.963,19.549 h1.02 r270
J10: Top Overlay "4" at -50.045,76.435 h1.02 r90; Top Overlay "1" at -50.055,67.49 h1.02 r90; Top Overlay "PH x4 COMB" at -59.126,75.95 h0.75 r270; Top Overlay "4" at -55.214,76.263 h1.02 r90; Top Overlay "1" at -55.341,67.754 h1.02 r90
J12: Top Overlay "4" at -9.967,50.545 h1.02 r270; Top Overlay "1" at -9.957,59.489 h1.02 r270; Top Overlay "PH x4 COMB" at -0.887,51.029 h0.75 r90; Top Overlay "4" at -4.798,50.716 h1.02 r270; Top Overlay "1" at -4.671,59.225 h1.02 r270
J15: Top Overlay "4" at -49.945,24.234 h1.02 r90; Top Overlay "1" at -49.955,15.29 h1.02 r90; Top Overlay "PH x4 COMB" at -59.026,23.75 h0.75 r270; Top Overlay "4" at -55.114,24.063 h1.02 r90; Top Overlay "1" at -55.241,15.554 h1.02 r90
J17: Top Overlay "2" at -50.534,63.828 h1.02 r90; Top Overlay "1" at -50.534,55.853 h1.02 r90; Top Overlay "PH x4 COMB" at -59.13,62.842 h0.5 r270; Top Overlay "2" at -55.309,62.403 h1.02 r90; Top Overlay "1" at -55.341,57.654 h1.02 r90
K1: Top Overlay "G5V-2" at -26.959,63.981 h1.52 r90